# Allegro board buddy_lay_rev1.brd (continued)
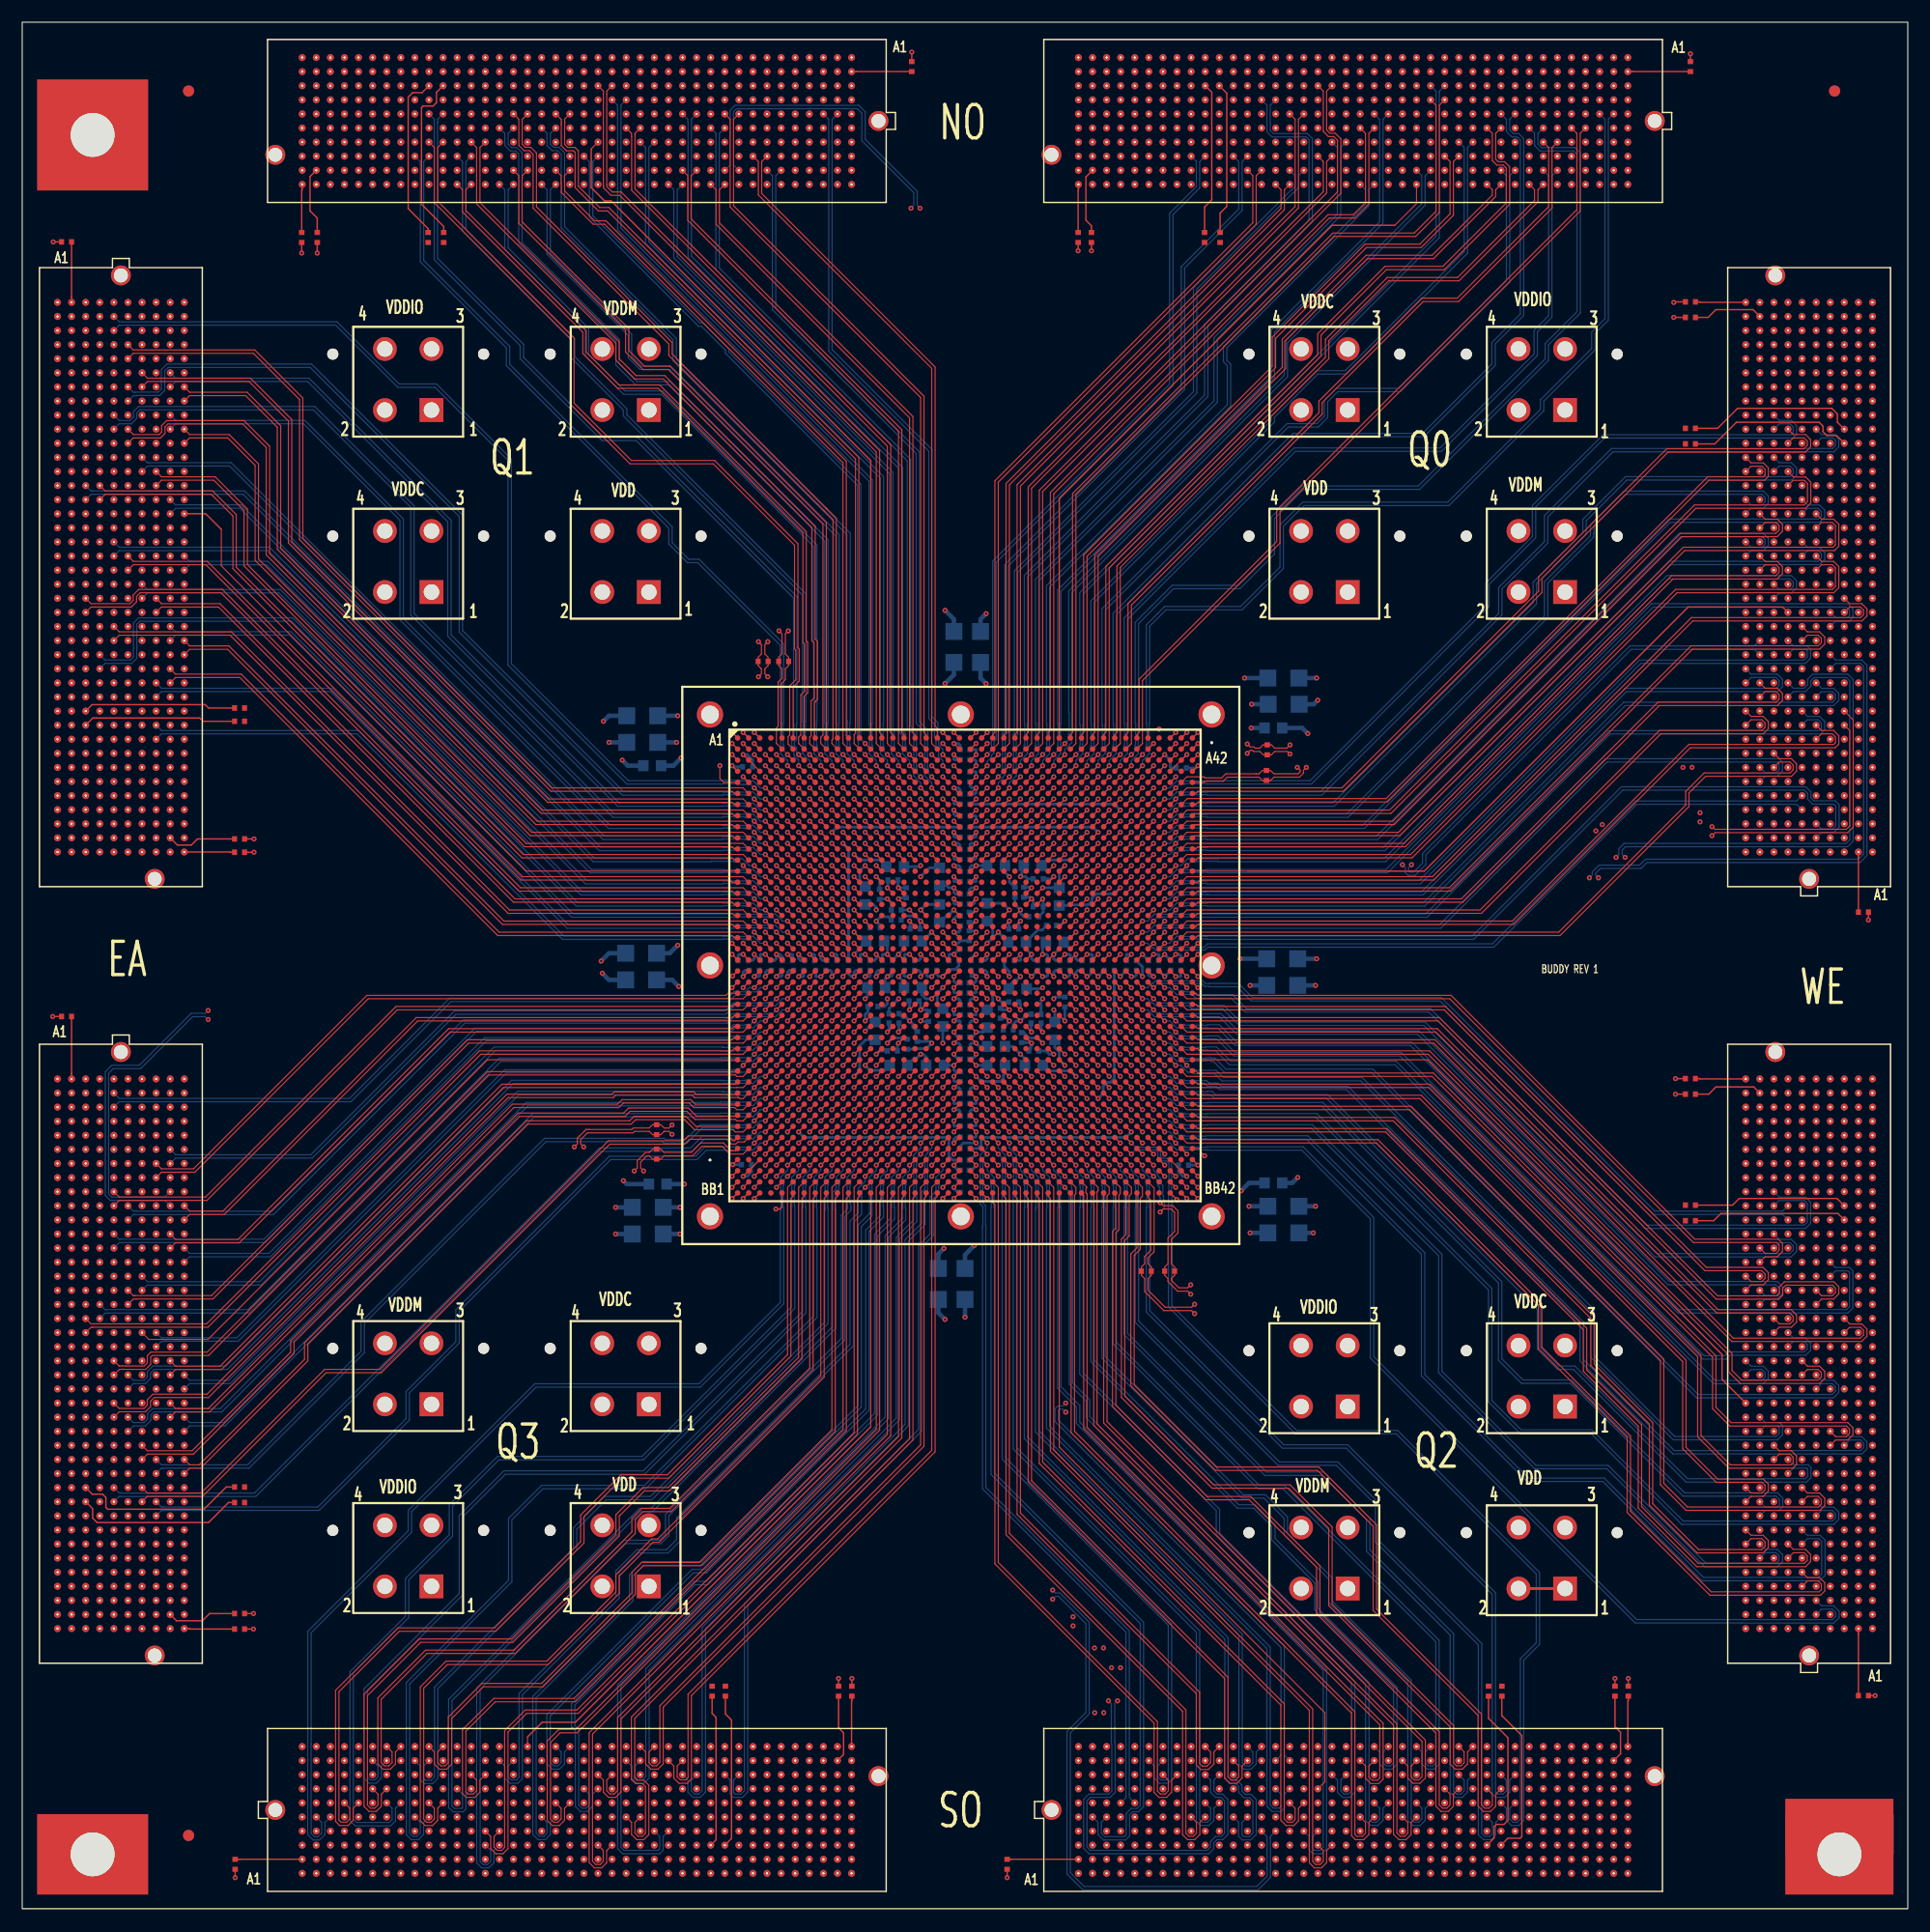
[diagram p0: board, top side]
## Routing (per net, layer and track width the routed paths; a pad name or vN(x,y) marks a point on that pad's centre or on a via; arc(x,y) is an arc through that point) (continued)
WE_P13: length 92.9
  TOP w0.127: U1.K37 v1(101,97)
  SIGNAL_L12 w0.081: v1(101,97) 101.45,97 101.82,97.37 101.9,97.37 102.19,97.66 102.77,97.66 102.8,97.63 107.3,97.63 107.34,97.66 123.06,97.66 154.43,129.03 167.14,129.03 167.7,128.48 167.7,125.48 167.13,124.91 159.66,124.91 J3.G24
WE_P14: length 74.2
  TOP w0.127: U1.K39 v1(103,97)
  BOTTOM w0.102: J3.F25 160.95,126.19 161.91,126.19 162.2,125.9 162.2,125.51 161.92,125.23 148.45,125.23 120.87,97.65 106.83,97.65 106.8,97.62 104.56,97.62 104.54,97.63 104.09,97.63 103.46,97 v1(103,97)
WE_P15: length 73.7
  TOP w0.102: U1.K41 105,97 124.07,97 149.76,122.69 163.26,122.69 163.47,122.9 163.47,124.63 163.18,124.92 162.22,124.92 161.74,124.44
WE_P16: length 94.6
  TOP w0.127: U1.L35 v1(99,96)
  SIGNAL_L3 w0.081: v1(99,96) 99.48,96 99.63,96.15 99.63,96.15 99.85,96.37 99.85,96.37 99.88,96.4 99.93,96.4 100.2,96.67 100.78,96.67 100.82,96.63 107.35,96.63 107.38,96.67 113.92,96.67 115.65,98.4 136.75,98.4 147.06,108.71 165.71,108.71 166,109.01 166,127.17 165.73,127.43 163.46,127.43 J3.D26
WE_P17: length 80.9
  TOP w0.127: U1.L37 v1(101,96)
  SIGNAL_L12 w0.081: v1(101,96) 101.45,96 101.82,96.37 101.9,96.37 102.19,96.66 102.77,96.66 102.8,96.63 107.3,96.63 107.34,96.66 123.71,96.66 153.54,126.49 165.71,126.49 166,126.79 166,127.17 165.72,127.45 164.74,127.45 J3.C26
WE_P18: length 70
  TOP w0.127: U1.L39 v1(103,96)
  BOTTOM w0.102: J3.K22 155.87,122.38 156.96,122.38 157.43,122.85 157.43,123.49 156.98,123.94 149.38,123.94 122.09,96.65 106.83,96.65 106.8,96.62 104.56,96.62 104.54,96.63 104.09,96.63 103.46,96 v1(103,96)
WE_P19: length 66.7
  TOP w0.102: U1.L41 105,96 124.57,96 148.7,120.13 158.09,120.13 158.39,120.43 158.39,120.82 158.12,121.09 157.12,121.09 J3.J21
WE_P20: length 125.7
  TOP w0.127: U1.M35 v1(99,95)
  SIGNAL_L3 w0.081: J3.H22 158.38,122.35 159.76,122.35 160.01,122.6 160.01,123.57 159.6,123.98 155.04,123.98 154.88,124.14 154.88,131.06 155.07,131.25 167,131.25 167.27,130.98 167.27,107.74 167,107.47 147.95,107.47 137.93,97.45 122.05,97.45 120.27,95.67 107.42,95.67 107.38,95.63 100.82,95.63 100.78,95.67 100.2,95.67 99.93,95.4 99.88,95.4 99.85,95.37 99.85,95.37 99.63,95.15 99.63,95.15 99.48,95 v1(99,95)
WE_P21: length 73.6
  TOP w0.127: U1.M37 v1(101,95)
  SIGNAL_L12 w0.081: J3.G21 159.66,121.1 160.64,121.1 160.92,120.82 160.92,120.44 160.65,120.17 149.38,120.17 124.87,95.66 107.34,95.66 107.3,95.63 102.8,95.63 102.77,95.66 102.19,95.66 101.9,95.37 101.82,95.37 101.45,95 v1(101,95)
WE_P22: length 73.4
  TOP w0.127: U1.M39 v1(103,95)
  BOTTOM w0.102: J3.F22 160.95,122.38 161.91,122.38 162.2,122.09 162.2,121.7 161.93,121.42 148.5,121.42 122.73,95.65 106.83,95.65 106.8,95.62 104.56,95.62 104.54,95.63 104.09,95.63 103.46,95 v1(103,95)
WE_P23: length 72.9
  TOP w0.102: U1.M41 105,95 125.18,95 149.07,118.89 163.2,118.89 163.47,119.16 163.47,120.82 163.18,121.11 162.22,121.11 161.74,120.63
WE_P24: length 83.3
  TOP w0.127: U1.N31 v1(95,94)
  SIGNAL_L5 w0.081: v1(95,94) 95.48,94 96.1,94.63 96.46,94.63 96.49,94.59 96.71,94.59 96.74,94.63 105.48,94.63 105.52,94.66 122.8,94.66 147.03,118.9 164.46,118.9 164.73,119.17 164.73,119.55 164.45,119.83 163.47,119.83 J3.D20
WE_P25: length 101.8
  TOP w0.127: U1.N33 v1(97,94)
  SIGNAL_L3 w0.081: v1(141.87,97.12) 141.87,97.47 141.74,97.6 141.17,97.6 138.59,95.02 123.82,95.02 122.27,93.47 106.64,93.47 106.5,93.34 105.45,93.34 105.42,93.37 99.74,93.37 99.71,93.4 97.83,93.4 97.23,94 v1(97,94)
  SIGNAL_L5 w0.081: J3.C22 164.74,122.37 165.72,122.37 166,122.09 166,97.58 165.73,97.31 154.01,97.31 151.64,99.68 143.01,99.68 141.7,98.37 141.7,97.75 141.87,97.58 v1(141.87,97.12)
WE_P26: length 91.8
  TOP w0.127: U1.N36 v1(100,94)
  SIGNAL_L3 w0.081: v1(100,94) 100.48,94 100.63,94.15 100.63,94.15 100.85,94.37 100.85,94.37 100.88,94.4 100.93,94.4 101.2,94.67 101.78,94.67 101.82,94.63 108.38,94.63 108.4,94.65 108.43,94.65 108.45,94.67 121.3,94.67 122.96,96.33 138.31,96.33 143.73,101.75 149.57,101.75 149.97,102.15 149.97,102.61 v1(149.73,102.85)
  SIGNAL_L10 w0.081: v1(149.73,102.85) 149.97,103.09 149.97,105.79 154.19,110.01 164.46,110.01 164.73,110.28 164.73,115.74 164.44,116.03 160.14,116.03 159.68,116.49 159.68,118.36 159.48,118.56 155.85,118.56 J3.K19
WE_P27: length 71
  TOP w0.127: U1.N38 v1(102,94)
  SIGNAL_L12 w0.081: J3.J18 157.12,117.29 158.24,117.29 158.71,117.76 158.71,118.41 158.25,118.87 149.47,118.87 125.45,94.85 123.75,94.85 123.56,94.66 108.34,94.66 108.3,94.63 103.8,94.63 103.77,94.66 103.19,94.66 102.9,94.37 102.82,94.37 102.45,94 v1(102,94)
WE_P28: length 70.8
  TOP w0.127: U1.N40 v1(104,94)
  BOTTOM w0.102: J3.H19 158.39,118.55 159.49,118.55 159.97,119.04 159.97,119.68 159.52,120.13 148.28,120.13 122.8,94.65 107.83,94.65 107.8,94.62 105.56,94.62 105.54,94.63 105.09,94.63 104.46,94 v1(104,94)
WE_P29: length 63.8
  TOP w0.102: U1.N42 110.5,93.5
  TOP w0.127: 110.5,93.5 126.4,93.5 150.2,117.3 158.71,117.3 J3.G18
WE_P30: length 82.3
  TOP w0.127: U1.P32 v1(96,93)
  SIGNAL_L10 w0.081: v1(96,93) 96.33,93.33 96.33,93.72 96.37,93.75 96.37,94.26 96.74,94.63 105.57,94.63 105.61,94.67 123.82,94.67 149.29,120.14 162.06,120.14 162.52,119.68 162.52,119.03 162.05,118.56 160.93,118.56 J3.F19
WE_P31: length 75.4
  TOP w0.127: U1.P37 v1(101,93)
  SIGNAL_L12 w0.081: 161.74,116.82 162.2,117.29 163.18,117.29 163.46,117.01 163.46,116.63 163.17,116.33 148.47,116.33 125.8,93.66 107.34,93.66 107.3,93.63 102.8,93.63 102.77,93.66 102.19,93.66 101.9,93.37 101.82,93.37 101.45,93 v1(101,93)
WE_P32: length 76.3
  TOP w0.127: U1.P39 v1(103,93)
  BOTTOM w0.102: v1(103,93) 103.46,93 104.09,93.63 104.54,93.63 104.56,93.62 106.8,93.62 106.83,93.65 122.96,93.65 146.91,117.6 164.58,117.6 165.05,117.14 165.05,116.37 164.71,116.03 163.49,116.03 J3.D17
WE_P33: length 74
  TOP w0.102: U1.P41 105,93 127.14,93 150.49,116.35 165.74,116.35 166.01,116.62 166.01,117.01 165.72,117.3 164.76,117.3 J3.C18
WE_P34: length 74.4
  TOP w0.127: U1.R31 v1(95,92)
  SIGNAL_L5 w0.081: v1(95,92) 95.63,92.63 96.46,92.63 96.49,92.59 96.71,92.59 96.74,92.63 105.44,92.63 105.48,92.66 132.56,92.66 153.7,113.8 156.83,113.8 157.11,114.09 157.11,114.47 156.83,114.75 155.85,114.75 J3.K16
WE_P35: length 71.8
  TOP w0.127: U1.R33 v1(97,92)
  SIGNAL_L3 w0.081: v1(97,92) 97.48,92 97.63,92.15 97.63,92.15 97.85,92.37 97.85,92.37 97.88,92.4 97.93,92.4 98.2,92.67 98.78,92.67 98.82,92.63 105.35,92.63 105.38,92.67 124,92.67 124.68,93.35 124.68,93.84 v1(124.44,94.08)
  BOTTOM w0.102: J3.J15 156.17,113.49 145.07,113.49 126.55,94.97 126.55,94.09 125.58,93.12 124.95,93.12 124.69,93.38 124.69,93.82 v1(124.44,94.08)
WE_P36: length 71
  TOP w0.127: U1.R37 v1(101,92)
  SIGNAL_L12 w0.081: v1(101,92) 101.45,92 101.82,92.37 101.9,92.37 102.19,92.66 102.77,92.66 102.8,92.63 107.3,92.63 107.34,92.66 126.01,92.66 147.17,113.82 159.38,113.82 159.65,114.09 159.65,114.47 159.37,114.75 158.39,114.75 J3.H16
WE_P37: length 69.8
  TOP w0.127: U1.R39 v1(103,92)
  BOTTOM w0.102: v1(103,92) 103.46,92 104.09,92.63 104.54,92.63 104.56,92.62 106.8,92.62 106.83,92.65 125.93,92.65 145.8,112.52 160.64,112.52 160.93,112.81 160.93,113.35 160.8,113.49 159.68,113.49 J3.G15
WE_P38: length 69.5
  TOP w0.102: J3.F16 160.95,114.76 161.91,114.76 162.2,114.47 162.2,114.08 161.93,113.81 150.46,113.81 128.65,92 105,92 U1.R41
WE_P39: length 80.6
  TOP w0.127: U1.T31 v1(95,91)
  SIGNAL_L10 w0.081: 161.74,113.01 162.2,113.48 163.18,113.48 163.46,113.2 163.46,112.82 163.18,112.53 150.76,112.53 129.9,91.67 105.38,91.67 105.34,91.63 95.63,91.63 v1(95,91)
WE_P40: length 92.6
  TOP w0.127: U1.T33 v1(97,91)
  SIGNAL_L3 w0.081: v1(141.29,92.9) 141.5,92.69 141.5,92.1 141.03,91.63 105.42,91.63 98.82,91.63 98.78,91.67 98.2,91.67 97.93,91.4 97.88,91.4 97.85,91.37 97.85,91.37 97.63,91.15 97.63,91.15 97.48,91 v1(97,91)
  BOTTOM w0.102: v1(141.29,92.9) 141.55,93.15 141.55,93.42 142.17,94.04 145.82,94.04 146.35,94.57 165.56,94.57 166.01,95.03 166.01,111.93 165.72,112.22 163.49,112.22 J3.D14
WE_P41: length 80.2
  TOP w0.127: U1.T35 v1(99,91)
  SIGNAL_L12 w0.081: v1(99,91) 99.45,91 99.82,91.37 99.9,91.37 100.19,91.66 100.77,91.66 100.8,91.63 105.3,91.63 105.34,91.66 126.41,91.66 147.27,112.52 163.33,112.52 163.79,112.06 163.79,111.41 163.95,111.25 165.81,111.25 166,111.44 166,111.93 165.73,112.19 164.73,112.19 J3.C14
WE_P42: length 67.8
  TOP w0.127: U1.T39 v1(103,91)
  BOTTOM w0.102: v1(103,91) 103.46,91 104.09,91.63 104.54,91.63 104.56,91.62 106.8,91.62 106.83,91.65 126.17,91.65 144.5,109.98 158.13,109.98 158.39,110.24 158.39,110.66 158.1,110.95 155.87,110.95 J3.K13
WE_P43: length 64
  TOP w0.102: U1.T41 105,91 129.75,91 147.48,108.73 158.12,108.73 158.39,109 158.39,109.39 158.1,109.68 157.14,109.68 J3.J12
WE_P44: length 78.4
  TOP w0.127: U1.U31 v1(95,90)
  SIGNAL_L5 w0.081: v1(95,90) 95.63,90.63 96.46,90.63 96.49,90.59 96.71,90.59 96.74,90.63 105.48,90.63 105.52,90.66 132.36,90.66 154.25,112.55 159.5,112.55 159.98,112.06 159.98,111.3 159.61,110.92 158.38,110.92 J3.H13
WE_P45: length 93.7
  TOP w0.127: U1.U33 v1(97,90)
  SIGNAL_L3 w0.081: v1(97,90) 97.48,90 97.63,90.15 97.63,90.15 97.85,90.37 97.85,90.37 97.88,90.4 97.93,90.4 98.2,90.67 98.78,90.67 98.82,90.63 105.35,90.63 105.38,90.67 141.47,90.67 143.94,93.14 143.94,94.5 v1(143.7,94.74)
  BOTTOM w0.102: J3.G12 159.68,109.68 160.77,109.68 161.27,110.17 161.27,110.66 161.55,110.95 164.46,110.95 164.77,110.64 164.77,96.32 164.44,96 144.42,96 143.95,95.53 143.95,95 v1(143.7,94.74)
WE_P46: length 74.8
  TOP w0.127: U1.U35 v1(99,90)
  SIGNAL_L12 w0.081: J3.F13 160.93,110.94 161.91,110.94 162.19,110.66 162.19,110.2 162,110.01 146.04,110.01 126.69,90.66 105.34,90.66 105.3,90.63 100.8,90.63 100.77,90.66 100.19,90.66 99.9,90.37 99.82,90.37 99.45,90 v1(99,90)
WE_P47: length 71.5
  TOP w0.127: U1.U39 v1(103,90)
  BOTTOM w0.102: 161.74,109.2 162.2,109.66 163.2,109.66 163.47,109.39 163.47,109 163.19,108.72 144.39,108.72 126.32,90.65 106.83,90.65 106.8,90.62 104.56,90.62 104.54,90.63 104.09,90.63 103.46,90 v1(103,90)
WE_P48: length 62.1
  TOP w0.102: J3.K10 155.87,107.14 156.83,107.14 157.12,106.85 157.12,106.46 156.84,106.18 147.61,106.18 131.43,90 105,90 U1.U41
WE_P49: length 79.8
  TOP w0.127: U1.V31 v1(95,89)
  SIGNAL_L3 w0.081: J3.J9 156.2,105.84 155.05,105.84 154.12,104.91 154.12,90.35 151.1,87.33 106.77,87.33 106.74,87.37 96.63,87.37 96.37,87.63 96.37,87.91 96.37,87.91 96.37,88.15 96.3,88.23 96.3,88.36 96.03,88.63 95.85,88.63 95.48,89 v1(95,89)
WE_P50: length 90.5
  TOP w0.127: U1.V33 v1(97,89)
  SIGNAL_L3 w0.081: v1(97,89) 97.48,89 97.63,89.15 97.63,89.15 97.85,89.37 97.85,89.37 97.88,89.4 97.93,89.4 98.19,89.66 98.78,89.66 98.81,89.63 99.26,89.63 99.27,89.62 99.73,89.62 99.74,89.63 100.26,89.63 100.27,89.62 100.73,89.62 100.74,89.63 101.26,89.63 101.27,89.62 101.73,89.62 101.74,89.63 102.26,89.63 102.27,89.62 102.73,89.62 102.74,89.63 103.26,89.63 103.27,89.62 103.73,89.62 103.74,89.63 104.26,89.63 104.27,89.62 104.73,89.62 104.74,89.63 105.43,89.63 105.46,89.65 141.7,89.65 150.56,98.51 151.03,98.51 v1(151.27,98.75)
  SIGNAL_L12 w0.081: v1(151.27,98.75) 151.51,98.51 155.01,98.51 155.08,98.58 165.81,98.58 166.01,98.78 166.01,106.84 165.72,107.13 158.39,107.13 J3.H10
WE_P51: length 71.8
  TOP w0.127: U1.V35 v1(99,89)
  SIGNAL_L12 w0.081: J3.G9 159.66,105.86 160.67,105.86 160.92,105.61 160.92,105.2 160.65,104.93 143.81,104.93 128.54,89.66 105.34,89.66 105.3,89.63 100.8,89.63 100.77,89.66 100.19,89.66 99.9,89.37 99.82,89.37 99.45,89 v1(99,89)
WE_P52: length 71.7
  TOP w0.127: U1.V37 v1(101,89)
  BOTTOM w0.102: J3.F10 160.95,107.14 161.91,107.14 162.2,106.85 162.2,106.36 162,106.16 143.04,106.16 126.53,89.65 105.52,89.65 105.49,89.62 102.56,89.62 102.54,89.63 102.09,89.63 101.46,89 v1(101,89)
WE_P53: length 68.4
  TOP w0.102: U1.V41 105,89 134.34,89 150.26,104.92 163.32,104.92 163.47,105.07 163.47,105.58 163.18,105.87 162.22,105.87 161.74,105.39
WE_P54: length 87
  TOP w0.127: U1.W31 v1(95,88)
  SIGNAL_L3 w0.081: v1(95,88) 95.33,87.67 95.33,87.49 95.37,87.45 95.37,86.74 95.74,86.37 106.44,86.37 106.69,86.62 109.01,86.62 109.51,86.12 157.1,86.12 159.98,89.01 159.98,104.28 160.29,104.59 162.54,104.59 J3.D8
WE_P55: length 82
  TOP w0.102: v1(152.34,97.51) 152.58,97.27 164.45,97.27 164.77,97.59 164.77,106.16 J3.C10
  TOP w0.127: U1.W33 v1(97,88)
  SIGNAL_L3 w0.081: v1(152.34,97.51) 152.09,97.26 151.26,97.26 142.65,88.65 105.41,88.65 105.38,88.63 104.74,88.63 104.73,88.62 104.27,88.62 104.26,88.63 103.74,88.63 103.73,88.62 103.27,88.62 103.26,88.63 102.74,88.63 102.73,88.62 102.27,88.62 102.26,88.63 101.74,88.63 101.73,88.62 101.27,88.62 101.26,88.63 100.74,88.63 100.73,88.62 100.27,88.62 100.26,88.63 99.74,88.63 99.73,88.62 99.27,88.62 99.26,88.63 98.81,88.63 98.78,88.66 98.19,88.66 97.93,88.4 97.88,88.4 97.85,88.37 97.85,88.37 97.63,88.15 97.63,88.15 97.48,88 v1(97,88)
WE_P56: length 67.3
  TOP w0.127: U1.W35 v1(99,88)
  SIGNAL_L12 w0.081: J3.K7 155.84,103.3 156.84,103.3 157.11,103.04 157.11,102.65 156.85,102.39 143.2,102.39 129.47,88.66 105.34,88.66 105.3,88.63 100.8,88.63 100.77,88.66 100.19,88.66 99.9,88.37 99.82,88.37 99.45,88 v1(99,88)
WE_P57: length 68.2
  TOP w0.127: U1.W37 v1(101,88)
  BOTTOM w0.102: J3.J6 157.14,102.06 158.23,102.06 158.7,102.53 158.7,103.31 158.38,103.63 142.74,103.63 127.76,88.65 105.52,88.65 105.49,88.62 102.56,88.62 102.54,88.63 102.09,88.63 101.46,88 v1(101,88)
WE_P58: length 64.6
  TOP w0.102: J3.H7 158.41,103.33 159.37,103.33 159.66,103.04 159.66,102.63 159.38,102.35 151.64,102.35 149.97,100.68 149.97,99.45 138.52,88 105,88 U1.W41
WE_P59: length 86.8
  TOP w0.127: U1.Y31 v1(95,87)
  SIGNAL_L12 w0.081: v1(95,87) 95.48,87 95.85,87.37 95.9,87.37 96.22,87.69 96.66,87.69 96.73,87.63 98.26,87.63 98.63,87.26 98.63,86.8 98.8,86.63 106.15,86.63 106.67,87.15 107.04,87.15 107.08,87.19 108.11,87.19 108.4,86.9 134.27,86.9 147.19,99.82 164.44,99.82 164.73,100.12 164.73,103.04 164.46,103.3 161.55,103.3 161.28,103.04 161.28,102.54 160.78,102.05 159.66,102.05 J3.G6
WE_P60: length 75.4
  TOP w0.127: U1.Y33 v1(97,87)
  SIGNAL_L10 w0.081: J3.F7 160.93,103.32 161.91,103.32 162.19,103.04 162.19,102.66 161.92,102.39 153.49,102.39 139.77,88.67 105.68,88.67 105.64,88.63 97.69,88.63 97.37,88.31 97.37,87.83 97.33,87.79 97.33,87.33 v1(97,87)
WE_P61: length 73.7
  TOP w0.127: U1.Y35 v1(99,87)
  SIGNAL_L12 w0.081: v1(99,87) 99.45,87 99.82,87.37 99.9,87.37 100.19,87.66 100.77,87.66 100.8,87.63 105.3,87.63 105.48,87.81 131.62,87.81 141.17,97.36 141.17,97.52 144.77,101.12 163.19,101.12 163.46,101.39 163.46,101.77 163.18,102.05 162.2,102.05 161.74,101.58
WE_P62: length 66.1
  TOP w0.127: U1.Y37 v1(101,87)
  BOTTOM w0.102: v1(101,87) 101.46,87 101.84,86.62 101.95,86.62 102.22,86.35 102.7,86.35 102.74,86.38 102.84,86.38 102.84,86.38 106.63,86.38 106.89,86.65 132.68,86.65 145.55,99.52 159.98,99.52 J3.F4
WE_P63: length 72.8
  TOP w0.127: U1.Y39 v1(103,87)
  BOTTOM w0.102: v1(103,87) 103.46,87 104.09,87.63 104.54,87.63 104.56,87.62 106.8,87.62 106.83,87.65 130.73,87.65 144.18,101.1 160.8,101.1 161.27,100.63 161.27,100.11 161.54,99.84 163.45,99.84 163.81,99.48 163.81,97.57 163.81,97.57 163.81,97.48 163.32,96.99 162.22,96.99 161.74,96.5 161.74,96.5
WE_P64: length 71.6
  TOP w0.127: U1.AC40 v1(104,83)
  BOTTOM w0.102: v1(104,83) 104.32,82.68 104.78,82.68 104.84,82.62 105.56,82.62 105.83,82.35 109.13,82.35 110.38,81.1 126.95,81.1 146.45,61.6 160.66,61.6 160.93,61.88 160.93,63.54 160.66,63.81 158.39,63.81 J4.H31
WE_P65: length 66.9
  TOP w0.127: U1.AC38 v1(102,83)
  BOTTOM w0.102: J4.G30 158.71,62.56 147.06,62.56 127.82,81.8 110.8,81.8 110.28,82.32 109.52,83.08 107.05,83.08 107.02,83.11 106.6,83.11 106.33,83.38 102.84,83.38 102.79,83.33 102.33,83.33 v1(102,83)
WE_P66: length 84.6
  TOP w0.127: U1.AC36 v1(100,83)
  SIGNAL_L12 w0.081: J4.F31 160.47,63.35 160.93,63.82 163.18,63.82 163.46,63.53 163.46,60.61 163.19,60.35 158.89,60.35 158.41,59.86 158.41,59.37 158.11,59.08 154.95,59.08 154.8,58.93 146.99,58.93 140.91,65.01 140.91,70.09 128.25,82.75 109.05,82.75 108.75,82.45 105.9,82.45 105.68,82.67 105.39,82.67 105.35,82.63 100.85,82.63 100.84,82.63 100.8,82.63 100.77,82.67 100.33,82.67 v1(100,83)
WE_P67: length 79.6
  TOP w0.127: U1.AC34 v1(98,83)
  SIGNAL_L10 w0.081: 161.74,62.07 162.22,62.56 163.33,62.56 163.79,63.02 163.79,64.94 163.33,65.4 146.8,65.4 130.54,81.66 105.73,81.66 105.69,81.63 97.9,81.63 97.9,81.63 97.85,81.63 97.63,81.85 97.63,81.9 97.63,81.9 97.63,82.37 97.67,82.41 97.67,82.67 v1(98,83)
WE_P68: length 79.8
  TOP w0.127: U1.AC32 v1(96,83)
  SIGNAL_L12 w0.081: v1(96,83) 96.36,82.64 96.66,82.64 96.68,82.63 98.15,82.63 98.37,82.85 98.37,83.3 98.7,83.63 106.33,83.63 106.76,83.2 107.58,83.2 107.62,83.24 108.82,83.24 110.02,84.43 128.47,84.43 142.33,70.57 142.33,64.77 145.5,61.59 156.98,61.59 157.44,61.13 157.44,60.48 156.97,60 155.85,60 J4.K28
WE_P69: length 65.7
  TOP w0.102: U1.AD42 105.8,82.5 106,82.3 128.83,82.3 150.8,60.34 158.31,60.34 158.7,59.95 158.7,59.21 158.23,58.75 157.14,58.75 J4.J27
WE_P70: length 70.5
  TOP w0.127: U1.AD38 v1(102,82)
  BOTTOM w0.102: v1(102,82) 102.38,81.62 105.26,81.62 105.47,81.4 108.35,81.4 109.85,79.9 126.48,79.9 147.34,59.04 159.36,59.04 159.66,59.34 159.66,59.73 159.37,60.02 158.41,60.02 J4.H28
WE_P71: length 77.1
  TOP w0.127: U1.AD36 v1(100,82)
  SIGNAL_L12 w0.081: v1(100,82) 100.33,81.67 100.77,81.67 100.8,81.63 100.84,81.63 100.85,81.63 105.3,81.63 105.34,81.67 127.48,81.67 139.64,69.51 139.64,64.93 146.78,57.78 160.73,57.78 160.95,58 160.95,58.59 160.8,58.73 159.66,58.73 J4.G27
WE_P72: length 77.2
  TOP w0.127: U1.AD34 v1(98,82)
  SIGNAL_L3 w0.081: v1(98,82) 98.33,81.67 98.79,81.67 98.82,81.64 98.84,81.64 98.85,81.63 99.15,81.63 99.16,81.64 99.84,81.64 99.85,81.63 100.15,81.63 100.16,81.64 100.84,81.64 100.85,81.63 101.15,81.63 101.16,81.64 101.84,81.64 101.85,81.63 102.15,81.63 102.16,81.64 102.84,81.64 102.85,81.63 103.15,81.63 103.16,81.64 103.84,81.64 103.85,81.63 104.15,81.63 104.16,81.64 104.73,81.64 104.74,81.63 105.37,81.63 105.4,81.6 105.43,81.6 105.5,81.68 129.11,81.68 149.17,61.62 162.05,61.62 162.55,61.12 162.55,60.38 162.17,60 160.93,60 J4.F28
WE_P73: length 97.6
  TOP w0.127: U1.AD32 v1(96,82)
  SIGNAL_L3 w0.081: 161.74,58.26 161.27,58.73 160.28,58.73 160.01,58.45 160.01,58.07 160.28,57.81 163.19,57.81 163.46,58.07 163.46,75.97 155.66,83.77 109.71,83.77 109.67,83.81 109.47,83.81 108.76,83.09 106.69,83.09 106.42,83.37 95.85,83.37 95.63,83.15 95.63,82.58 95.67,82.54 95.67,82.33 v1(96,82)
WE_P74: length 65
  TOP w0.102: U1.AE42 105.8,81.5 106,81.3 128.33,81.3 151.84,57.8 156.95,57.8 157.43,57.31 157.43,56.67 156.96,56.21 155.87,56.21 J4.K25
WE_P75: length 70.8
  TOP w0.127: U1.AE38 v1(102,81)
  BOTTOM w0.102: v1(102,81) 102.32,80.68 102.78,80.68 102.84,80.62 105.49,80.62 105.52,80.65 108.08,80.65 109.63,79.1 125.93,79.1 148.51,56.53 158.22,56.53 158.7,56.04 158.7,55.4 158.23,54.94 157.14,54.94 J4.J24
WE_P76: length 76
  TOP w0.127: U1.AE36 v1(100,81)
  SIGNAL_L12 w0.081: J4.H25 158.39,56.19 159.37,56.19 159.65,55.91 159.65,55.37 159.52,55.24 148.07,55.24 138.45,64.87 138.45,68.81 126.59,80.67 105.34,80.67 105.3,80.63 100.85,80.63 100.84,80.63 100.8,80.63 100.77,80.67 100.33,80.67 v1(100,81)
WE_P77: length 77.8
  TOP w0.127: U1.AE34 v1(98,81)
  SIGNAL_L3 w0.081: J4.G24 159.66,54.92 160.64,54.92 160.92,54.64 160.92,54.26 160.65,54 158.87,54 158.71,54.15 158.71,54.78 158.24,55.25 154.04,55.25 129.11,80.18 128.79,80.18 128.29,80.68 105.43,80.68 105.38,80.63 104.85,80.63 104.84,80.64 104.16,80.64 104.15,80.63 103.85,80.63 103.84,80.64 103.37,80.64 103.37,80.63 102.93,80.63 102.92,80.63 102.74,80.63 102.72,80.61 102.53,80.61 102.5,80.63 100.61,80.63 100.61,80.62 100.57,80.62 100.49,80.55 100.43,80.55 100.43,80.56 100.33,80.56 100.26,80.63 100.22,80.63 100.21,80.63 98.69,80.63 98.64,80.67 98.33,80.67 v1(98,81)
WE_P78: length 80.2
  TOP w0.127: U1.AE32 v1(96,81)
  SIGNAL_L5 w0.081: v1(96,81) 96.32,80.68 96.8,80.68 96.85,80.63 105.29,80.63 105.33,80.67 129.43,80.67 152.32,57.78 162.06,57.78 162.52,57.32 162.52,56.67 162.05,56.19 160.93,56.19 J4.F25
WE_P79: length 72.9
  TOP w0.102: 161.74,54.45 162.22,54.94 163.31,54.94 163.78,55.4 163.78,56.04 163.33,56.5 158.87,56.5 158.42,56.04 158.42,55.42 158.23,55.23 152.85,55.23 127.78,80.3 106,80.3 105.8,80.5 U1.AF42
WE_P80: length 77.4
  TOP w0.127: U1.AF40 v1(104,80)
  BOTTOM w0.102: J4.D26 163.49,57.48 164.61,57.48 164.74,57.34 164.74,54.26 164.47,53.99 149.4,53.99 125.28,78.1 109.48,78.1 107.93,79.65 106.9,79.65 106.87,79.62 104.84,79.62 104.78,79.68 104.32,79.68 v1(104,80)
WE_P81: length 85
  TOP w0.127: U1.AF36 v1(100,80)
  SIGNAL_L12 w0.081: J4.C26 164.74,57.46 165.79,57.46 166.03,57.22 166.03,54.13 165.87,53.97 147.84,53.97 137.24,64.58 137.24,68.36 125.93,79.67 105.34,79.67 105.3,79.63 100.85,79.63 100.84,79.63 100.8,79.63 100.77,79.67 100.33,79.67 v1(100,80)
WE_P82: length 74.3
  TOP w0.127: U1.AF34 v1(98,80)
  SIGNAL_L3 w0.081: v1(98,80) 98.34,79.66 98.78,79.66 98.81,79.63 105.35,79.63 105.38,79.66 127.34,79.66 153,54 156.96,54 157.44,53.51 157.44,52.86 156.98,52.4 155.87,52.4 J4.K22
WE_P83: length 78.1
  TOP w0.127: U1.AF32 v1(96,80)
  SIGNAL_L5 w0.081: v1(96,80) 96.32,79.68 96.8,79.68 96.85,79.63 105.29,79.63 105.33,79.67 127.1,79.67 154.04,52.73 158.23,52.73 158.71,52.24 158.71,51.59 158.25,51.13 157.39,51.13 157.38,51.11 157.12,51.11 J4.J21
WE_P84: length 68.3
  TOP w0.102: U1.AG42 105.8,79.5 106,79.3 127.58,79.3 152.9,53.99 159.49,53.99 159.97,53.5 159.97,52.86 159.5,52.4 158.41,52.4 J4.H22
WE_P85: length 72.5
  TOP w0.127: U1.AG40 v1(104,79)
  BOTTOM w0.102: v1(104,79) 104.32,78.68 104.78,78.68 104.84,78.62 106.8,78.62 106.83,78.65 107.85,78.65 109.35,77.15 124.33,77.15 151.65,49.83 153.5,49.83 153.84,50.18 160.66,50.18 160.93,50.45 160.93,50.84 160.64,51.13 159.68,51.13 J4.G21
WE_P86: length 79.3
  TOP w0.127: U1.AG36 v1(100,79)
  SIGNAL_L12 w0.081: v1(100,79) 100.33,78.67 100.77,78.67 100.8,78.63 100.84,78.63 100.85,78.63 105.3,78.63 105.34,78.67 125.04,78.67 136.14,67.57 136.14,63.46 148.15,51.45 161.92,51.45 162.19,51.72 162.19,52.1 161.91,52.38 160.93,52.38 J4.F22
WE_P87: length 80.7
  TOP w0.127: U1.AG34 v1(98,79)
  SIGNAL_L3 w0.081: v1(98,79) 98.34,78.66 98.78,78.66 98.81,78.63 105.35,78.63 105.38,78.66 125.21,78.66 153.71,50.16 163.17,50.16 163.46,50.45 163.46,50.83 163.19,51.1 162.19,51.1 161.74,50.64
WE_P88: length 84.5
  TOP w0.127: U1.AG32 v1(96,79)
  SIGNAL_L10 w0.081: v1(96,79) 96.35,78.65 96.64,78.65 96.67,78.63 105.37,78.63 105.4,78.66 126.64,78.66 153.87,51.43 164.6,51.43 165.06,50.97 165.06,50.32 164.59,49.84 163.47,49.84 J4.D20
WE_P89: length 74.3
  TOP w0.102: U1.AH42 105.8,78.5 106,78.3 127.38,78.3 154.26,51.42 165.71,51.42 166.01,51.72 166.01,52.11 165.74,52.39 164.75,52.39 J4.C22
WE_P90: length 69
  TOP w0.127: U1.AH40 v1(104,78)
  BOTTOM w0.102: J4.K19 155.87,48.59 156.83,48.59 157.12,48.3 157.12,47.91 156.82,47.61 152.64,47.61 123.89,76.35 108.98,76.35 107.68,77.65 106.71,77.65 106.67,77.62 104.84,77.62 104.78,77.68 104.32,77.68 v1(104,78)
WE_P91: length 76.4
  TOP w0.127: U1.AH38 v1(102,78)
  SIGNAL_L12 w0.081: J4.J18 157.12,47.3 158.32,47.3 158.73,47.71 158.73,48.41 158.25,48.89 148.57,48.89 143.92,53.55 142.62,53.55 135.28,60.89 135.28,66.97 124.58,77.67 107.34,77.67 107.3,77.63 102.85,77.63 102.84,77.63 102.8,77.63 102.77,77.67 102.33,77.67 v1(102,78)
WE_P92: length 77.5
  TOP w0.127: U1.AH34 v1(98,78)
  SIGNAL_L3 w0.081: J4.H19 158.38,48.56 159.38,48.56 159.65,48.29 159.65,47.91 159.38,47.65 154.04,47.65 124.02,77.66 105.38,77.66 105.35,77.63 98.81,77.63 98.78,77.66 98.34,77.66 v1(98,78)
WE_P93: length 81.4
  TOP w0.127: U1.AH32 v1(96,78)
  SIGNAL_L5 w0.081: v1(96,78) 96.32,77.68 96.8,77.68 96.85,77.63 105.29,77.63 105.33,77.67 126.44,77.67 155.2,48.92 160.77,48.92 161.25,48.43 161.25,47.78 160.77,47.29 159.79,47.29 159.78,47.3 159.66,47.3 J4.G18
WE_P94: length 72.5
  TOP w0.102: J4.F19 160.95,48.59 161.91,48.59 162.2,48.3 162.2,47.91 161.93,47.64 155.02,47.64 154.15,48.5 154.15,50.03 126.88,77.3 106.2,77.3 106,77.5 U1.AJ42
WE_P95: length 75.5
  TOP w0.127: U1.AJ40 v1(104,77)
  BOTTOM w0.102: v1(104,77) 104.32,76.68 104.78,76.68 104.84,76.62 106.7,76.62 106.77,76.68 107.16,76.68 107.2,76.65 107.53,76.65 108.53,75.65 121.78,75.65 151.09,46.34 163.17,46.34 163.47,46.64 163.47,47.03 163.18,47.32 162.22,47.32 161.74,46.83
WE_P96: length 86.2
  TOP w0.127: U1.AJ38 v1(102,77)
  SIGNAL_L12 w0.081: J4.D17 163.47,46.03 164.74,46.03 165.06,46.36 165.06,47.32 164.76,47.62 161.41,47.62 160.92,47.14 160.92,46.64 160.65,46.38 144.99,46.38 141.33,50.04 141.33,52.14 134.28,59.19 134.28,66.31 123.92,76.67 107.34,76.67 107.3,76.63 102.85,76.63 102.84,76.63 102.8,76.63 102.77,76.67 102.33,76.67 v1(102,77)
WE_P97: length 85
  TOP w0.127: U1.AJ33 v1(97,77)
  SIGNAL_L3 w0.081: v1(97,77) 97.34,76.66 97.78,76.66 97.81,76.63 105.34,76.63 105.38,76.66 123.47,76.66 153.78,46.35 165.71,46.35 166.02,46.66 166.02,47.01 165.72,47.3 164.74,47.3 J4.C18
